# Allegro board 6089-119-RevB_08.brd (continued)
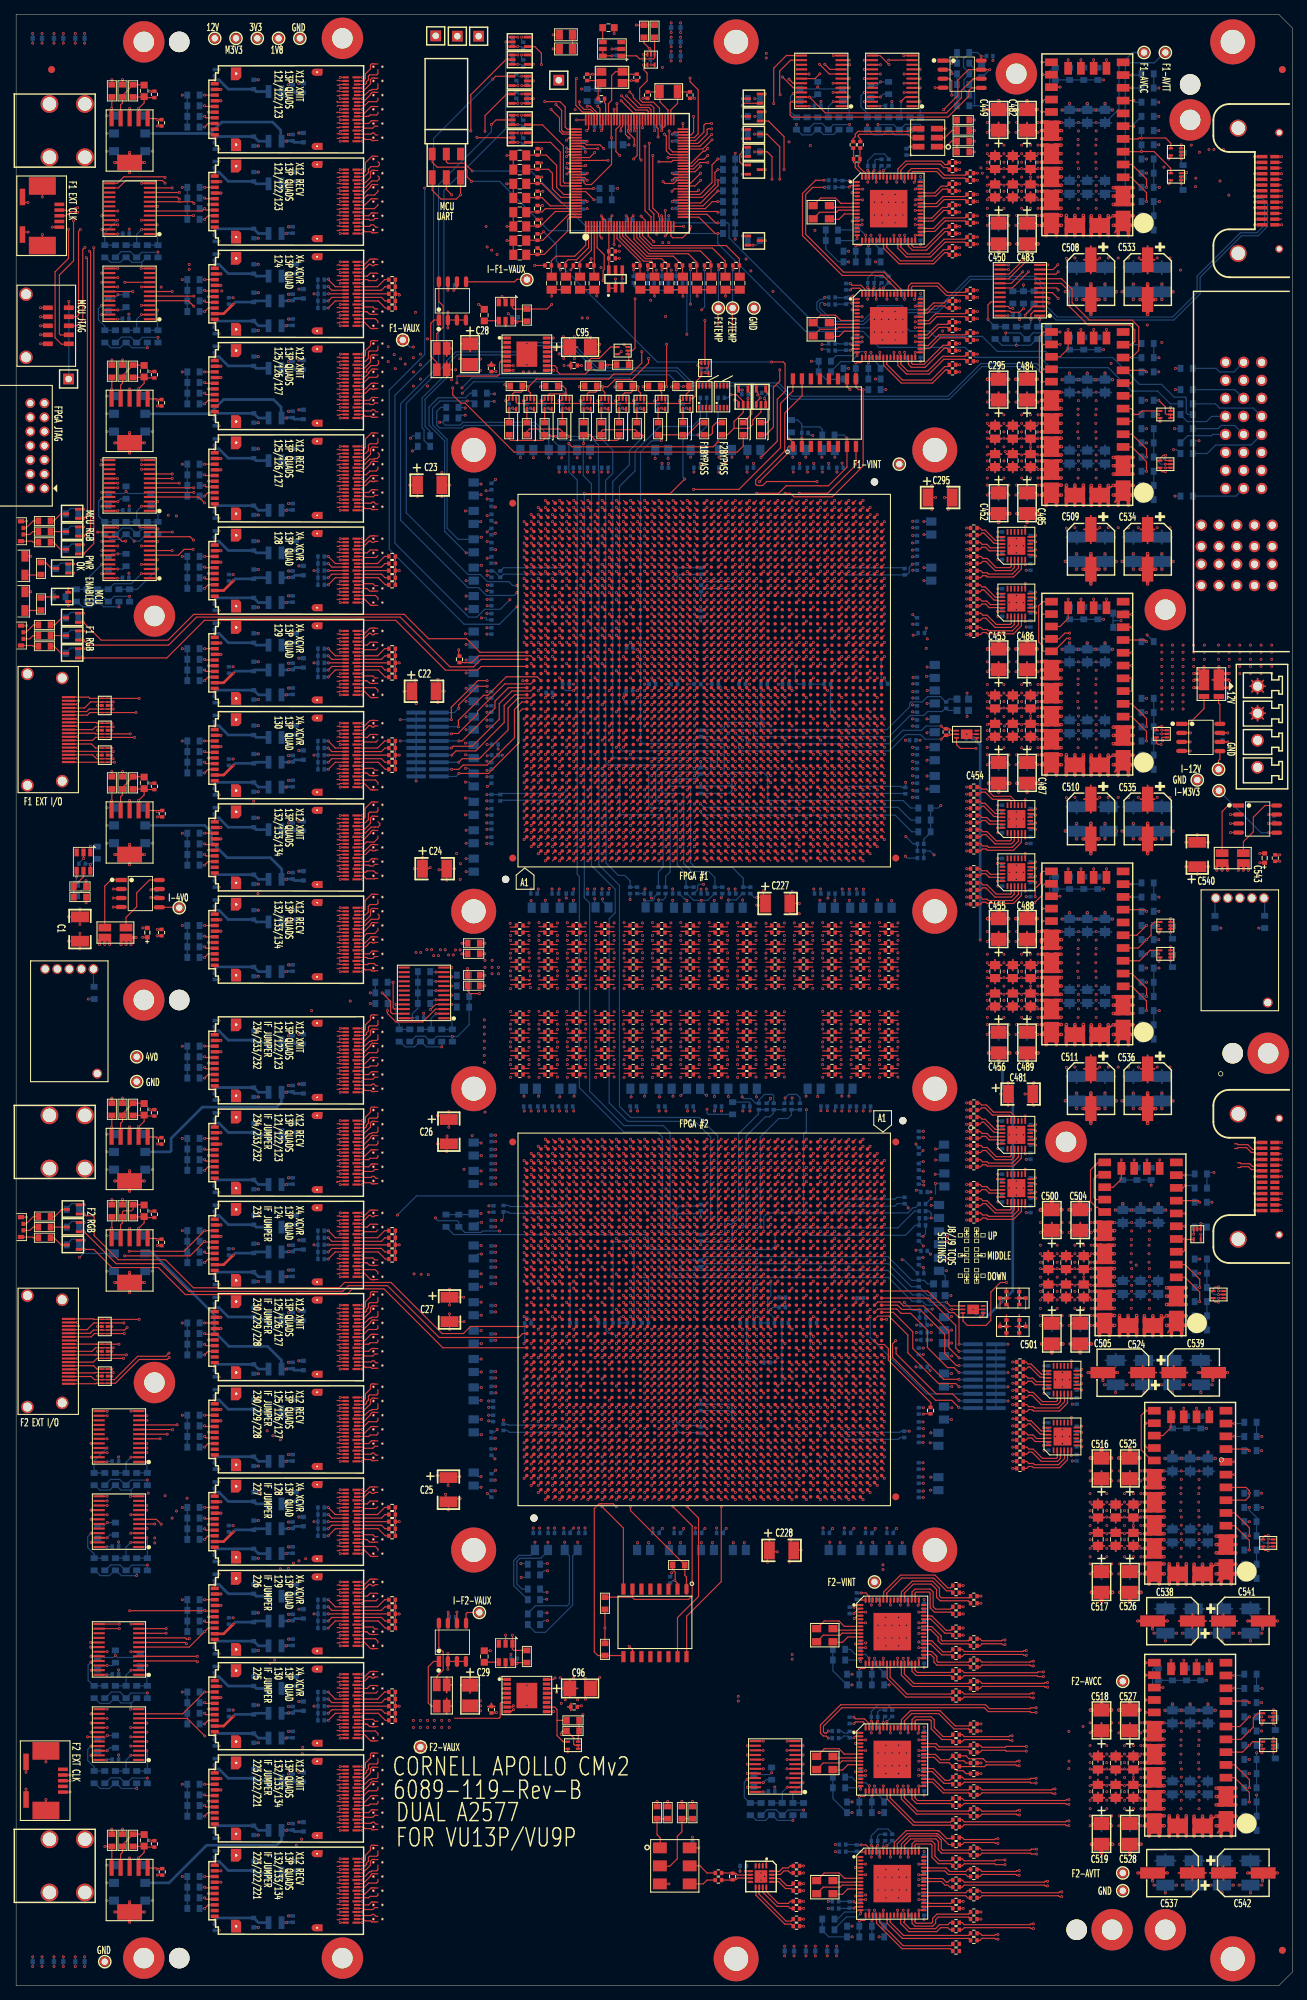
[diagram p0: board, top side]
## Routing (per net, layer and track width the routed paths; a pad name or vN(x,y) marks a point on that pad's centre or on a via; arc(x,y) is an arc through that point) (continued)
  GND2 w0.254: VA23.4 51.63,218.78 ; VA23.4 51.82,218.81 ; VA23.4 52.02,218.4 ; VA23.4 51.63,218.02 ; VA23.4 51.96,218.08 ; VA23.4 52.05,218.21 ; VA23.4 51.96,218.72 ; VA23.4 52.05,218.59 ; VA74.4 51.63,87.78 ; VA74.4 51.96,87.08 ; VA74.4 52.05,87.21 ; VA74.4 51.63,87.02 ; VA74.4 52.02,87.4 ; VA74.4 51.82,87.81 ; VA74.4 52.05,87.59 ; VA74.4 51.96,87.72 ; VA102.4 51.96,13.08 ; VA102.4 51.82,13.81 ; VA102.4 52.02,13.4 ; VA102.4 51.63,13.78 ; VA102.4 52.05,13.21 ; VA102.4 51.63,13.02 ; VA102.4 52.05,13.59 ; VA102.4 51.96,13.72 ; 51.63,54.52 VA86.4 ; VA86.4 52.05,55.09 ; VA86.4 51.96,54.58 ; VA86.4 52.02,54.9 ; VA86.4 52.05,54.71 ; VA86.4 51.96,55.22 ; VA86.4 51.63,55.28 ; VA86.4 51.82,55.31 ; 49.98,15.4 VA101.3 ; VA101.3 50.37,15.78 ; VA101.3 50.04,15.72 ; VA101.3 50.04,15.08 ; VA101.3 49.95,15.59 ; VA101.3 50.18,14.99 ; VA101.3 49.95,15.21 ; VA101.3 50.37,15.02 ; 51.63,270.02 VA1.4 ; VA1.4 52.05,270.21 ; VA1.4 52.02,270.4 ; VA1.4 51.63,270.78 ; VA1.4 51.96,270.08 ; VA1.4 51.96,270.72 ; VA1.4 51.82,270.81 ; VA1.4 52.05,270.59 ; 39.33,275.07 PM9.1 ; PM9.1 40.67,273.73 ; PM9.1 39.12,274.4 ; PM9.1 40.67,275.07 ; PM9.1 40.88,274.4 ; PM9.1 39.33,273.73 ; PM9.1 40,273.52 ; PM9.1 40,275.28 ; VA12.4 51.82,247.81 ; VA12.4 51.96,247.72 ; VA12.4 51.63,247.02 ; VA12.4 52.05,247.21 ; VA12.4 51.63,247.78 ; VA12.4 52.02,247.4 ; VA12.4 52.05,247.59 ; VA12.4 51.96,247.08 ; 49.98,235.9 VA15.4 ; VA15.4 50.37,235.52 ; VA15.4 50.04,236.22 ; VA15.4 49.95,236.09 ; VA15.4 50.37,236.28 ; VA15.4 50.18,235.49 ; VA15.4 49.95,235.71 ; VA15.4 50.04,235.58 ; 165.83,170.57 PM24.1 ; PM24.1 165.83,169.23 ; PM24.1 165.62,169.9 ; PM24.1 166.5,170.78 ; PM24.1 166.5,169.02 ; PM24.1 167.38,169.9 ; PM24.1 167.17,170.57 ; PM24.1 167.17,169.23 ; VA24.4 51.63,216.78 ; VA24.4 52.05,216.59 ; VA24.4 51.82,216.81 ; VA24.4 51.96,216.72 ; VA24.4 52.02,216.4 ; VA24.4 52.05,216.21 ; VA24.4 51.96,216.08 ; VA24.4 51.63,216.02 ; PM1.1 13.38,3.4 ; PM1.1 13.17,2.73 ; PM1.1 11.83,4.07 ; PM1.1 13.17,4.07 ; PM1.1 11.83,2.73 ; PM1.1 12.5,4.28 ; PM1.1 11.62,3.4 ; PM1.1 12.5,2.52 ; VA43.4 51.96,162.08 ; VA43.4 52.02,162.4 ; VA43.4 51.63,162.78 ; VA43.4 51.96,162.72 ; VA43.4 52.05,162.21 ; VA43.4 51.82,162.81 ; VA43.4 51.63,162.02 ; VA43.4 52.05,162.59 ; 50.37,93.02 VA71.3 ; VA71.3 49.98,93.4 ; VA71.3 49.95,93.21 ; VA71.3 50.37,93.78 ; VA71.3 50.18,92.99 ; VA71.3 49.95,93.59 ; VA71.3 50.04,93.08 ; VA71.3 50.04,93.72 ; 49.98,108.9 VA65.3 ; VA65.3 49.95,109.09 ; VA65.3 50.04,108.58 ; VA65.3 50.37,109.28 ; VA65.3 49.95,108.71 ; VA65.3 50.18,108.49 ; VA65.3 50.37,108.52 ; VA65.3 50.04,109.22 ; 50.04,143.08 VA52.3 ; VA52.3 50.18,142.99 ; VA52.3 49.95,143.59 ; VA52.3 49.95,143.21 ; VA52.3 50.37,143.02 ; VA52.3 50.04,143.72 ; VA52.3 50.37,143.78 ; VA52.3 49.98,143.4 ; 49.95,47.71 VA88.4 ; VA88.4 50.37,48.28 ; VA88.4 50.04,47.58 ; VA88.4 50.04,48.22 ; VA88.4 50.37,47.52 ; VA88.4 49.98,47.9 ; VA88.4 50.18,47.49 ; VA88.4 49.95,48.09 ; VA84.4 50.37,61.28 ; VA84.4 50.04,60.58 ; VA84.4 50.37,60.52 ; VA84.4 49.98,60.9 ; VA84.4 49.95,61.09 ; VA84.4 50.18,60.49 ; VA84.4 49.95,60.71 ; VA84.4 50.04,61.22 ; VA8.3 50.37,255.78 ; VA8.3 49.95,255.21 ; VA8.3 49.98,255.4 ; VA8.3 50.04,255.08 ; VA8.3 49.95,255.59 ; VA8.3 50.18,254.99 ; VA8.3 50.04,255.72 ; VA8.3 50.37,255.02 ; 51.63,264.02 VA4.4 ; VA4.4 52.05,264.21 ; VA4.4 51.96,264.08 ; VA4.4 51.82,264.81 ; VA4.4 51.96,264.72 ; VA4.4 52.02,264.4 ; VA4.4 52.05,264.59 ; VA4.4 51.63,264.78 ; VA77.4 52.05,80.21 ; VA77.4 51.96,80.72 ; VA77.4 51.63,80.78 ; VA77.4 51.63,80.02 ; VA77.4 52.02,80.4 ; VA77.4 51.82,80.81 ; VA77.4 51.96,80.08 ; VA77.4 52.05,80.59 ; VA65.4 52.02,108.9 ; VA65.4 51.63,108.52 ; VA65.4 51.63,109.28 ; VA65.4 52.05,109.09 ; VA65.4 51.96,108.58 ; VA65.4 51.82,109.31 ; VA65.4 51.96,109.22 ; VA65.4 52.05,108.71 ; VA25.4 51.96,214.72 ; VA25.4 51.82,214.81 ; VA25.4 52.05,214.21 ; VA25.4 51.96,214.08 ; VA25.4 51.63,214.78 ; VA25.4 52.05,214.59 ; VA25.4 52.02,214.4 ; VA25.4 51.63,214.02 ; 50.04,55.22 VA86.3 ; VA86.3 50.18,54.49 ; VA86.3 50.37,54.52 ; VA86.3 49.95,55.09 ; VA86.3 50.04,54.58 ; VA86.3 49.95,54.71 ; VA86.3 50.37,55.28 ; VA86.3 49.98,54.9 ; 50.04,169.22 VA40.4 ; VA40.4 50.18,168.49 ; VA40.4 49.98,168.9 ; VA40.4 50.37,168.52 ; VA40.4 49.95,169.09 ; VA40.4 50.04,168.58 ; VA40.4 50.37,169.28 ; VA40.4 49.95,168.71 ; VA100.4 51.96,17.08 ; VA100.4 52.05,17.59 ; VA100.4 51.82,17.81 ; VA100.4 52.05,17.21 ; VA100.4 52.02,17.4 ; VA100.4 51.63,17.78 ; VA100.4 51.63,17.02 ; VA100.4 51.96,17.72 ; 50.04,136.72 VA53.3 ; VA53.3 50.18,135.99 ; VA53.3 50.37,136.78 ; VA53.3 49.95,136.21 ; VA53.3 49.98,136.4 ; VA53.3 50.04,136.08 ; VA53.3 50.37,136.02 ; VA53.3 49.95,136.59 ; VA69.4 52.05,97.59 ; VA69.4 51.96,97.08 ; VA69.4 51.96,97.72 ; VA69.4 51.63,97.78 ; VA69.4 51.82,97.81 ; VA69.4 52.02,97.4 ; VA69.4 51.63,97.02 ; VA69.4 52.05,97.21 ; VA39.3 51.82,171.31 ; VA39.3 51.63,171.28 ; VA39.3 51.96,171.22 ; VA39.3 51.63,170.52 ; VA39.3 52.05,170.71 ; VA39.3 52.02,170.9 ; VA39.3 52.05,171.09 ; VA39.3 51.96,170.58 ; VA51.4 51.82,145.81 ; VA51.4 51.96,145.08 ; VA51.4 51.63,145.78 ; VA51.4 52.05,145.59 ; VA51.4 52.05,145.21 ; VA51.4 51.96,145.72 ; VA51.4 51.63,145.02 ; VA51.4 52.02,145.4 ; 50.37,196.52 VA31.4 ; VA31.4 50.18,196.49 ; VA31.4 49.98,196.9 ; VA31.4 50.04,196.58 ; VA31.4 50.04,197.22 ; VA31.4 50.37,197.28 ; VA31.4 49.95,197.09 ; VA31.4 49.95,196.71 ; 51.63,194.52 VA32.3 ; VA32.3 51.96,195.22 ; VA32.3 51.63,195.28 ; VA32.3 52.02,194.9 ; VA32.3 51.96,194.58 ; VA32.3 51.82,195.31 ; VA32.3 52.05,195.09 ; VA32.3 52.05,194.71 ; 49.95,67.71 VA82.3 ; VA82.3 50.37,67.52 ; VA82.3 50.18,67.49 ; VA82.3 50.04,67.58 ; VA82.3 49.95,68.09 ; VA82.3 49.98,67.9 ; VA82.3 50.37,68.28 ; VA82.3 50.04,68.22 ; 50.18,56.49 VA85.3 ; VA85.3 50.04,56.58 ; VA85.3 49.95,56.71 ; VA85.3 50.04,57.22 ; VA85.3 49.95,57.09 ; VA85.3 50.37,56.52 ; VA85.3 50.37,57.28 ; VA85.3 49.98,56.9 ; 50.04,41.58 VA90.3 ; VA90.3 50.04,42.22 ; VA90.3 49.95,41.71 ; VA90.3 50.18,41.49 ; VA90.3 49.98,41.9 ; VA90.3 49.95,42.09 ; VA90.3 50.37,41.52 ; VA90.3 50.37,42.28 ; 50.04,153.72 VA47.3 ; VA47.3 49.95,153.21 ; VA47.3 50.18,152.99 ; VA47.3 49.98,153.4 ; VA47.3 50.04,153.08 ; VA47.3 49.95,153.59 ; VA47.3 50.37,153.02 ; VA47.3 50.37,153.78 ; 49.98,249.4 VA11.3 ; VA11.3 50.37,249.02 ; VA11.3 50.37,249.78 ; VA11.3 49.95,249.21 ; VA11.3 50.18,248.99 ; VA11.3 50.04,249.08 ; VA11.3 50.04,249.72 ; VA11.3 49.95,249.59 ; 5.69,82.94 J6.21 ; J6.21 5.69,81.33 ; J6.21 7.31,82.94 ; J6.21 6.5,81.07 ; J6.21 6.5,83.2 ; J6.21 7.57,82.14 ; J6.21 7.31,81.33 ; J6.21 5.43,82.14 ; VA5.3 50.37,262.78 ; VA5.3 50.04,262.08 ; VA5.3 50.18,261.99 ; VA5.3 49.95,262.59 ; VA5.3 49.95,262.21 ; VA5.3 50.04,262.72 ; VA5.3 49.98,262.4 ; VA5.3 50.37,262.02 ; 5.43,169.74 J5.21 ; J5.21 6.5,170.8 ; J5.21 7.57,169.74 ; J5.21 7.31,168.93 ; J5.21 5.69,170.54 ; J5.21 5.69,168.93 ; J5.21 6.5,168.67 ; J5.21 7.31,170.54 ; 50.37,177.52 VA37.3 ; VA37.3 50.18,177.49 ; VA37.3 49.95,178.09 ; VA37.3 49.98,177.9 ; VA37.3 50.04,178.22 ; VA37.3 50.37,178.28 ; VA37.3 49.95,177.71 ; VA37.3 50.04,177.58 ; 49.95,76.21 VA79.3 ; VA79.3 50.37,76.78 ; VA79.3 50.04,76.08 ; VA79.3 50.18,75.99 ; VA79.3 50.04,76.72 ; VA79.3 49.98,76.4 ; VA79.3 49.95,76.59 ; VA79.3 50.37,76.02 ; VA101.4 52.02,15.4 ; VA101.4 51.82,15.81 ; VA101.4 52.05,15.21 ; VA101.4 51.96,15.72 ; VA101.4 51.63,15.78 ; VA101.4 51.63,15.02 ; VA101.4 52.05,15.59 ; VA101.4 51.96,15.08 ; VA3.4 51.82,266.81 ; VA3.4 52.05,266.59 ; VA3.4 52.05,266.21 ; VA3.4 51.63,266.78 ; VA3.4 52.02,266.4 ; VA3.4 51.96,266.72 ; VA3.4 51.96,266.08 ; VA3.4 51.63,266.02 ; 50.04,82.72 VA76.3 ; VA76.3 50.04,82.08 ; VA76.3 49.95,82.59 ; VA76.3 50.18,81.99 ; VA76.3 49.95,82.21 ; VA76.3 50.37,82.78 ; VA76.3 50.37,82.02 ; VA76.3 49.98,82.4 ; VA83.3 51.96,63.22 ; VA83.3 52.05,63.09 ; VA83.3 51.63,62.52 ; VA83.3 52.05,62.71 ; VA83.3 51.96,62.58 ; VA83.3 52.02,62.9 ; VA83.3 51.63,63.28 ; VA83.3 51.82,63.31 ; 49.98,101.9 VA67.4 ; VA67.4 49.95,102.09 ; VA67.4 50.18,101.49 ; VA67.4 50.04,102.22 ; VA67.4 50.37,101.52 ; VA67.4 49.95,101.71 ; VA67.4 50.37,102.28 ; VA67.4 50.04,101.58 ; 49.98,270.4 VA1.3 ; VA1.3 49.95,270.21 ; VA1.3 50.04,270.72 ; VA1.3 49.95,270.59 ; VA1.3 50.37,270.02 ; VA1.3 50.04,270.08 ; VA1.3 50.18,269.99 ; VA1.3 50.37,270.78 ; VA52.4 51.96,143.08 ; VA52.4 51.96,143.72 ; VA52.4 52.05,143.21 ; VA52.4 52.02,143.4 ; VA52.4 51.63,143.78 ; VA52.4 51.82,143.81 ; VA52.4 51.63,143.02 ; VA52.4 52.05,143.59 ; 50.37,260.02 VA6.3 ; VA6.3 49.95,260.59 ; VA6.3 49.98,260.4 ; VA6.3 50.04,260.08 ; VA6.3 50.18,259.99 ; VA6.3 50.37,260.78 ; VA6.3 50.04,260.72 ; VA6.3 49.95,260.21 ; 50.37,240.52 VA14.3 ; VA14.3 50.04,240.58 ; VA14.3 50.37,241.28 ; VA14.3 50.18,240.49 ; VA14.3 49.95,240.71 ; VA14.3 49.98,240.9 ; VA14.3 49.95,241.09 ; VA14.3 50.04,241.22 ; VA31.3 52.05,197.09 ; VA31.3 51.96,196.58 ; VA31.3 52.05,196.71 ; VA31.3 51.63,197.28 ; VA31.3 51.96,197.22 ; VA31.3 52.02,196.9 ; VA31.3 51.63,196.52 ; VA31.3 51.82,197.31 ; 50.04,84.08 VA75.3 ; VA75.3 50.37,84.02 ; VA75.3 50.18,83.99 ; VA75.3 50.04,84.72 ; VA75.3 50.37,84.78 ; VA75.3 49.95,84.59 ; VA75.3 49.98,84.4 ; VA75.3 49.95,84.21 ; VA81.4 51.96,70.22 ; VA81.4 51.63,69.52 ; VA81.4 52.02,69.9 ; VA81.4 51.96,69.58 ; VA81.4 51.82,70.31 ; VA81.4 52.05,69.71 ; VA81.4 51.63,70.28 ; VA81.4 52.05,70.09 ; VA53.4 52.05,136.59 ; VA53.4 51.82,136.81 ; VA53.4 51.63,136.78 ; VA53.4 51.96,136.08 ; VA53.4 51.63,136.02 ; VA53.4 51.96,136.72 ; VA53.4 52.02,136.4 ; VA53.4 52.05,136.21 ; VA63.4 51.63,115.78 ; VA63.4 51.96,115.08 ; VA63.4 51.96,115.72 ; VA63.4 51.82,115.81 ; VA63.4 52.05,115.21 ; VA63.4 52.05,115.59 ; VA63.4 51.63,115.02 ; VA63.4 52.02,115.4 ; 49.95,49.71 VA87.4 ; VA87.4 50.37,49.52 ; VA87.4 50.18,49.49 ; VA87.4 50.04,50.22 ; VA87.4 50.37,50.28 ; VA87.4 50.04,49.58 ; VA87.4 49.98,49.9 ; VA87.4 49.95,50.09 ; 50.04,171.22 VA39.4 ; VA39.4 50.04,170.58 ; VA39.4 49.95,171.09 ; VA39.4 49.95,170.71 ; VA39.4 50.18,170.49 ; VA39.4 50.37,171.28 ; VA39.4 50.37,170.52 ; VA39.4 49.98,170.9 ; VA71.4 52.05,93.59 ; VA71.4 51.63,93.02 ; VA71.4 51.96,93.08 ; VA71.4 51.63,93.78 ; VA71.4 52.05,93.21 ; VA71.4 51.82,93.81 ; VA71.4 51.96,93.72 ; VA71.4 52.02,93.4 ; 49.95,123.59 VA59.3 ; VA59.3 50.04,123.08 ; VA59.3 50.37,123.78 ; VA59.3 49.95,123.21 ; VA59.3 50.18,122.99 ; VA59.3 50.04,123.72 ; VA59.3 50.37,123.02 ; VA59.3 49.98,123.4 ; 50.37,87.02 VA74.3 ; VA74.3 49.98,87.4 ; VA74.3 50.18,86.99 ; VA74.3 50.04,87.72 ; VA74.3 50.37,87.78 ; VA74.3 49.95,87.59 ; VA74.3 50.04,87.08 ; VA74.3 49.95,87.21 ; VA79.4 51.96,76.72 ; VA79.4 51.82,76.81 ; VA79.4 52.02,76.4 ; VA79.4 52.05,76.21 ; VA79.4 51.63,76.78 ; VA79.4 51.63,76.02 ; VA79.4 51.96,76.08 ; VA79.4 52.05,76.59 ; 50.04,218.08 VA23.3 ; VA23.3 50.37,218.78 ; VA23.3 50.37,218.02 ; VA23.3 50.18,217.99 ; VA23.3 49.95,218.59 ; VA23.3 49.95,218.21 ; VA23.3 50.04,218.72 ; VA23.3 49.98,218.4 ; 50.04,184.22 VA35.4 ; VA35.4 50.04,183.58 ; VA35.4 49.98,183.9 ; VA35.4 49.95,184.09 ; VA35.4 50.37,183.52 ; VA35.4 49.95,183.71 ; VA35.4 50.18,183.49 ; VA35.4 50.37,184.28 ; 49.95,95.59 VA70.3 ; VA70.3 50.37,95.78 ; VA70.3 50.04,95.72 ; VA70.3 50.37,95.02 ; VA70.3 49.98,95.4 ; VA70.3 50.04,95.08 ; VA70.3 49.95,95.21 ; VA70.3 50.18,94.99 ; 49.95,119.21 VA61.3 ; VA61.3 49.95,119.59 ; VA61.3 50.04,119.08 ; VA61.3 50.04,119.72 ; VA61.3 50.37,119.78 ; VA61.3 50.18,118.99 ; VA61.3 50.37,119.02 ; VA61.3 49.98,119.4 ; 49.95,113.21 VA64.3 ; VA64.3 50.37,113.02 ; VA64.3 49.95,113.59 ; VA64.3 50.18,112.99 ; VA64.3 49.98,113.4 ; VA64.3 50.04,113.72 ; VA64.3 50.04,113.08 ; VA64.3 50.37,113.78 ; 49.95,149.21 VA49.3 ; VA49.3 50.04,149.72 ; VA49.3 50.37,149.78 ; VA49.3 50.37,149.02 ; VA49.3 49.98,149.4 ; VA49.3 50.18,148.99 ; VA49.3 49.95,149.59 ; VA49.3 50.04,149.08 ; 49.95,151.21 VA48.3 ; VA48.3 50.37,151.02 ; VA48.3 50.18,150.99 ; VA48.3 50.04,151.72 ; VA48.3 49.98,151.4 ; VA48.3 50.37,151.78 ; VA48.3 50.04,151.08 ; VA48.3 49.95,151.59 ; 50.04,264.72 VA4.3 ; VA4.3 49.95,264.59 ; VA4.3 50.37,264.78 ; VA4.3 50.04,264.08 ; VA4.3 49.98,264.4 ; VA4.3 49.95,264.21 ; VA4.3 50.18,263.99 ; VA4.3 50.37,264.02 ; 50.37,97.02 VA69.3 ; VA69.3 50.04,97.72 ; VA69.3 50.04,97.08 ; VA69.3 49.98,97.4 ; VA69.3 50.18,96.99 ; VA69.3 49.95,97.59 ; VA69.3 50.37,97.78 ; VA69.3 49.95,97.21 ; VA67.3 51.82,102.31 ; VA67.3 52.05,101.71 ; VA67.3 51.63,102.28 ; VA67.3 52.02,101.9 ; VA67.3 51.96,101.58 ; VA67.3 51.96,102.22 ; VA67.3 51.63,101.52 ; VA67.3 52.05,102.09 ; 50.18,120.99 VA60.3 ; VA60.3 50.37,121.02 ; VA60.3 49.95,121.21 ; VA60.3 49.98,121.4 ; VA60.3 50.04,121.72 ; VA60.3 50.04,121.08 ; VA60.3 50.37,121.78 ; VA60.3 49.95,121.59 ; VA21.4 51.63,223.78 ; VA21.4 51.96,223.72 ; VA21.4 52.02,223.4 ; VA21.4 51.96,223.08 ; VA21.4 51.63,223.02 ; VA21.4 51.82,223.81 ; VA21.4 52.05,223.59 ; VA21.4 52.05,223.21 ; VA26.4 52.05,212.21 ; VA26.4 52.05,212.59 ; VA26.4 52.02,212.4 ; VA26.4 51.63,212.78 ; VA26.4 51.96,212.08 ; VA26.4 51.96,212.72 ; VA26.4 51.63,212.02 ; VA26.4 51.82,212.81 ; 49.95,26.21 VA96.3 ; VA96.3 49.98,26.4 ; VA96.3 50.37,26.02 ; VA96.3 50.37,26.78 ; VA96.3 50.04,26.72 ; VA96.3 50.04,26.08 ; VA96.3 49.95,26.59 ; VA96.3 50.18,25.99 ; 49.95,117.59 VA62.3 ; VA62.3 50.37,117.02 ; VA62.3 50.18,116.99 ; VA62.3 49.98,117.4 ; VA62.3 50.37,117.78 ; VA62.3 49.95,117.21 ; VA62.3 50.04,117.72 ; VA62.3 50.04,117.08 ; 49.95,231.59 VA17.3 ; VA17.3 50.37,231.78 ; VA17.3 50.37,231.02 ; VA17.3 50.04,231.72 ; VA17.3 50.04,231.08 ; VA17.3 49.98,231.4 ; VA17.3 49.95,231.21 ; VA17.3 50.18,230.99 ; 49.98,158.4 VA45.3 ; VA45.3 49.95,158.21 ; VA45.3 49.95,158.59 ; VA45.3 50.18,157.99 ; VA45.3 50.37,158.78 ; VA45.3 50.04,158.08 ; VA45.3 50.04,158.72 ; VA45.3 50.37,158.02 ; 50.04,91.08 VA72.3 ; VA72.3 49.95,91.21 ; VA72.3 50.18,90.99 ; VA72.3 50.37,91.78 ; VA72.3 50.04,91.72 ; VA72.3 49.95,91.59 ; VA72.3 50.37,91.02 ; VA72.3 49.98,91.4 ; 50.04,251.08 VA10.3 ; VA10.3 50.37,251.02 ; VA10.3 49.95,251.21 ; VA10.3 50.18,250.99 ; VA10.3 49.95,251.59 ; VA10.3 49.98,251.4 ; VA10.3 50.37,251.78 ; VA10.3 50.04,251.72 ; 49.95,243.09 VA13.3 ; VA13.3 50.04,243.22 ; VA13.3 50.37,243.28 ; VA13.3 49.95,242.71 ; VA13.3 50.18,242.49 ; VA13.3 50.04,242.58 ; VA13.3 49.98,242.9 ; VA13.3 50.37,242.52 ; VA85.4 51.96,56.58 ; VA85.4 51.63,56.52 ; VA85.4 51.82,57.31 ; VA85.4 52.02,56.9 ; VA85.4 52.05,57.09 ; VA85.4 51.63,57.28 ; VA85.4 51.96,57.22 ; VA85.4 52.05,56.71 ; 50.04,175.58 VA38.3 ; VA38.3 49.98,175.9 ; VA38.3 49.95,176.09 ; VA38.3 50.18,175.49 ; VA38.3 50.04,176.22 ; VA38.3 50.37,175.52 ; VA38.3 49.95,175.71 ; VA38.3 50.37,176.28 ; VA47.4 51.63,153.78 ; VA47.4 52.05,153.59 ; VA47.4 51.63,153.02 ; VA47.4 52.05,153.21 ; VA47.4 51.96,153.08 ; VA47.4 51.82,153.81 ; VA47.4 52.02,153.4 ; VA47.4 51.96,153.72 ; 51.63,106.52 VA66.4 ; VA66.4 51.63,107.28 ; VA66.4 51.82,107.31 ; VA66.4 51.96,106.58 ; VA66.4 52.02,106.9 ; VA66.4 51.96,107.22 ; VA66.4 52.05,106.71 ; VA66.4 52.05,107.09 ; 49.95,202.09 VA30.3 ; VA30.3 50.37,201.52 ; VA30.3 50.18,201.49 ; VA30.3 50.04,201.58 ; VA30.3 50.04,202.22 ; VA30.3 49.95,201.71 ; VA30.3 49.98,201.9 ; VA30.3 50.37,202.28 ; 50.04,28.72 VA95.3 ; VA95.3 50.37,28.02 ; VA95.3 49.95,28.21 ; VA95.3 49.95,28.59 ; VA95.3 50.04,28.08 ; VA95.3 50.18,27.99 ; VA95.3 50.37,28.78 ; VA95.3 49.98,28.4 ; VA8.4 52.05,255.59 ; VA8.4 51.63,255.78 ; VA8.4 52.02,255.4 ; VA8.4 51.96,255.08 ; VA8.4 51.96,255.72 ; VA8.4 51.63,255.02 ; VA8.4 51.82,255.81 ; VA8.4 52.05,255.21 ; 50.37,257.02 VA7.3 ; VA7.3 50.37,257.78 ; VA7.3 50.18,256.99 ; VA7.3 49.98,257.4 ; VA7.3 50.04,257.08 ; VA7.3 50.04,257.72 ; VA7.3 49.95,257.21 ; VA7.3 49.95,257.59 ; VA72.4 52.02,91.4 ; VA72.4 51.96,91.08 ; VA72.4 51.63,91.02 ; VA72.4 51.82,91.81 ; VA72.4 51.63,91.78 ; VA72.4 51.96,91.72 ; VA72.4 52.05,91.59 ; VA72.4 52.05,91.21 ; VA60.4 52.05,121.21 ; VA60.4 51.63,121.02 ; VA60.4 51.96,121.72 ; VA60.4 52.02,121.4 ; VA60.4 52.05,121.59 ; VA60.4 51.82,121.81 ; VA60.4 51.96,121.08 ; VA60.4 51.63,121.78 ; VA58.4 52.05,126.21 ; VA58.4 51.82,126.81 ; VA58.4 51.96,126.08 ; VA58.4 52.02,126.4 ; VA58.4 51.63,126.78 ; VA58.4 51.96,126.72 ; VA58.4 52.05,126.59 ; VA58.4 51.63,126.02 ; 49.95,189.09 VA34.3 ; VA34.3 50.37,189.28 ; VA34.3 49.98,188.9 ; VA34.3 50.04,188.58 ; VA34.3 50.04,189.22 ; VA34.3 49.95,188.71 ; VA34.3 50.37,188.52 ; VA34.3 50.18,188.49 ; 49.98,80.4 VA77.3 ; VA77.3 50.04,80.72 ; VA77.3 50.04,80.08 ; VA77.3 50.37,80.78 ; VA77.3 50.37,80.02 ; VA77.3 50.18,79.99 ; VA77.3 49.95,80.21 ; VA77.3 49.95,80.59 ; VA91.3 52.02,36.9 ; VA91.3 51.82,37.31 ; VA91.3 51.96,37.22 ; VA91.3 51.63,36.52 ; VA91.3 51.63,37.28 ; VA91.3 51.96,36.58 ; VA91.3 52.05,37.09 ; VA91.3 52.05,36.71 ; VA64.4 52.02,113.4 ; VA64.4 51.96,113.08 ; VA64.4 51.63,113.02 ; VA64.4 51.96,113.72 ; VA64.4 51.63,113.78 ; VA64.4 52.05,113.59 ; VA64.4 51.82,113.81 ; VA64.4 52.05,113.21 ; 50.04,35.22 VA92.4 ; VA92.4 50.18,34.49 ; VA92.4 50.04,34.58 ; VA92.4 49.95,34.71 ; VA92.4 50.37,34.52 ; VA92.4 49.95,35.09 ; VA92.4 49.98,34.9 ; VA92.4 50.37,35.28 ; 51.63,149.02 VA49.4 ; VA49.4 51.96,149.72 ; VA49.4 51.63,149.78 ; VA49.4 51.82,149.81 ; VA49.4 51.96,149.08 ; VA49.4 52.05,149.21 ; VA49.4 52.05,149.59 ; VA49.4 52.02,149.4 ; VA78.4 52.05,78.21 ; VA78.4 51.63,78.78 ; VA78.4 51.96,78.08 ; VA78.4 51.63,78.02 ; VA78.4 51.82,78.81 ; VA78.4 52.02,78.4 ; VA78.4 52.05,78.59 ; VA78.4 51.96,78.72 ; VA38.4 51.96,175.58 ; VA38.4 51.82,176.31 ; VA38.4 51.63,176.28 ; VA38.4 51.96,176.22 ; VA38.4 52.05,176.09 ; VA38.4 51.63,175.52 ; VA38.4 52.02,175.9 ; VA38.4 52.05,175.71 ; VA93.4 51.63,32.78 ; VA93.4 51.96,32.08 ; VA93.4 51.63,32.02 ; VA93.4 51.82,32.81 ; VA93.4 51.96,32.72 ; VA93.4 52.02,32.4 ; VA93.4 52.05,32.21 ; VA93.4 52.05,32.59 ; VA45.4 52.05,158.21 ; VA45.4 52.05,158.59 ; VA45.4 51.63,158.78 ; VA45.4 52.02,158.4 ; VA45.4 51.96,158.08 ; VA45.4 51.63,158.02 ; VA45.4 51.96,158.72 ; VA45.4 51.82,158.81 ; 51.63,235.52 VA15.3 ; VA15.3 51.82,236.31 ; VA15.3 51.96,236.22 ; VA15.3 52.05,236.09 ; VA15.3 51.96,235.58 ; VA15.3 51.63,236.28 ; VA15.3 52.05,235.71 ; VA15.3 52.02,235.9 ; 51.63,47.52 VA88.3 ; VA88.3 51.82,48.31 ; VA88.3 51.63,48.28 ; VA88.3 51.96,48.22 ; VA88.3 52.05,47.71 ; VA88.3 51.96,47.58 ; VA88.3 52.02,47.9 ; VA88.3 52.05,48.09 ; VA59.4 51.63,123.78 ; VA59.4 52.05,123.59 ; VA59.4 51.82,123.81 ; VA59.4 51.96,123.08 ; VA59.4 51.96,123.72 ; VA59.4 51.63,123.02 ; VA59.4 52.02,123.4 ; VA59.4 52.05,123.21 ; VA11.4 51.63,249.78 ; VA11.4 52.05,249.21 ; VA11.4 52.02,249.4 ; VA11.4 51.82,249.81 ; VA11.4 52.05,249.59 ; VA11.4 51.63,249.02 ; VA11.4 51.96,249.08 ; VA11.4 51.96,249.72 ; 50.04,126.72 VA58.3 ; VA58.3 49.98,126.4 ; VA58.3 49.95,126.21 ; VA58.3 50.04,126.08 ; VA58.3 50.37,126.02 ; VA58.3 50.37,126.78 ; VA58.3 49.95,126.59 ; VA58.3 50.18,125.99 ; VA13.4 51.63,243.28 ; VA13.4 52.05,243.09 ; VA13.4 52.02,242.9 ; VA13.4 51.96,243.22 ; VA13.4 51.96,242.58 ; VA13.4 51.82,243.31 ; VA13.4 51.63,242.52 ; VA13.4 52.05,242.71 ; VA44.4 51.96,160.08 ; VA44.4 51.63,160.02 ; VA44.4 51.63,160.78 ; VA44.4 52.05,160.21 ; VA44.4 51.82,160.81 ; VA44.4 51.96,160.72 ; VA44.4 52.02,160.4 ; VA44.4 52.05,160.59 ; VA84.3 51.63,61.28 ; VA84.3 51.96,61.22 ; VA84.3 52.02,60.9 ; VA84.3 51.63,60.52 ; VA84.3 51.96,60.58 ; VA84.3 52.05,60.71 ; VA84.3 51.82,61.31 ; VA84.3 52.05,61.09 ; PM3.1 17.67,126.73 ; PM3.1 16.33,126.73 ; PM3.1 17,126.52 ; PM3.1 16.33,128.07 ; PM3.1 17.88,127.4 ; PM3.1 16.12,127.4 ; PM3.1 17.67,128.07 ; PM3.1 17,128.28 ; 50.37,24.02 VA97.3 ; VA97.3 50.18,23.99 ; VA97.3 50.04,24.72 ; VA97.3 49.95,24.59 ; VA97.3 49.98,24.4 ; VA97.3 49.95,24.21 ; VA97.3 50.04,24.08 ; VA97.3 50.37,24.78 ; VA41.4 51.82,166.81 ; VA41.4 52.05,166.59 ; VA41.4 51.96,166.72 ; VA41.4 51.96,166.08 ; VA41.4 51.63,166.02 ; VA41.4 51.63,166.78 ; VA41.4 52.05,166.21 ; VA41.4 52.02,166.4 ; VA30.4 51.96,201.58 ; VA30.4 52.05,201.71 ; VA30.4 51.96,202.22 ; VA30.4 51.63,202.28 ; VA30.4 51.63,201.52 ; VA30.4 51.82,202.31 ; VA30.4 52.05,202.09 ; VA30.4 52.02,201.9 ; 49.95,156.59 VA46.3 ; VA46.3 50.04,156.08 ; VA46.3 50.18,155.99 ; VA46.3 49.95,156.21 ; VA46.3 50.37,156.02 ; VA46.3 49.98,156.4 ; VA46.3 50.04,156.72 ; VA46.3 50.37,156.78 ; 50.37,227.02 VA19.3 ; VA19.3 49.95,227.21 ; VA19.3 49.95,227.59 ; VA19.3 50.04,227.08 ; VA19.3 50.37,227.78 ; VA19.3 50.18,226.99 ; VA19.3 49.98,227.4 